# Altium PCB FPGA Board V1.PcbDoc (part 1 of 2) (continued)
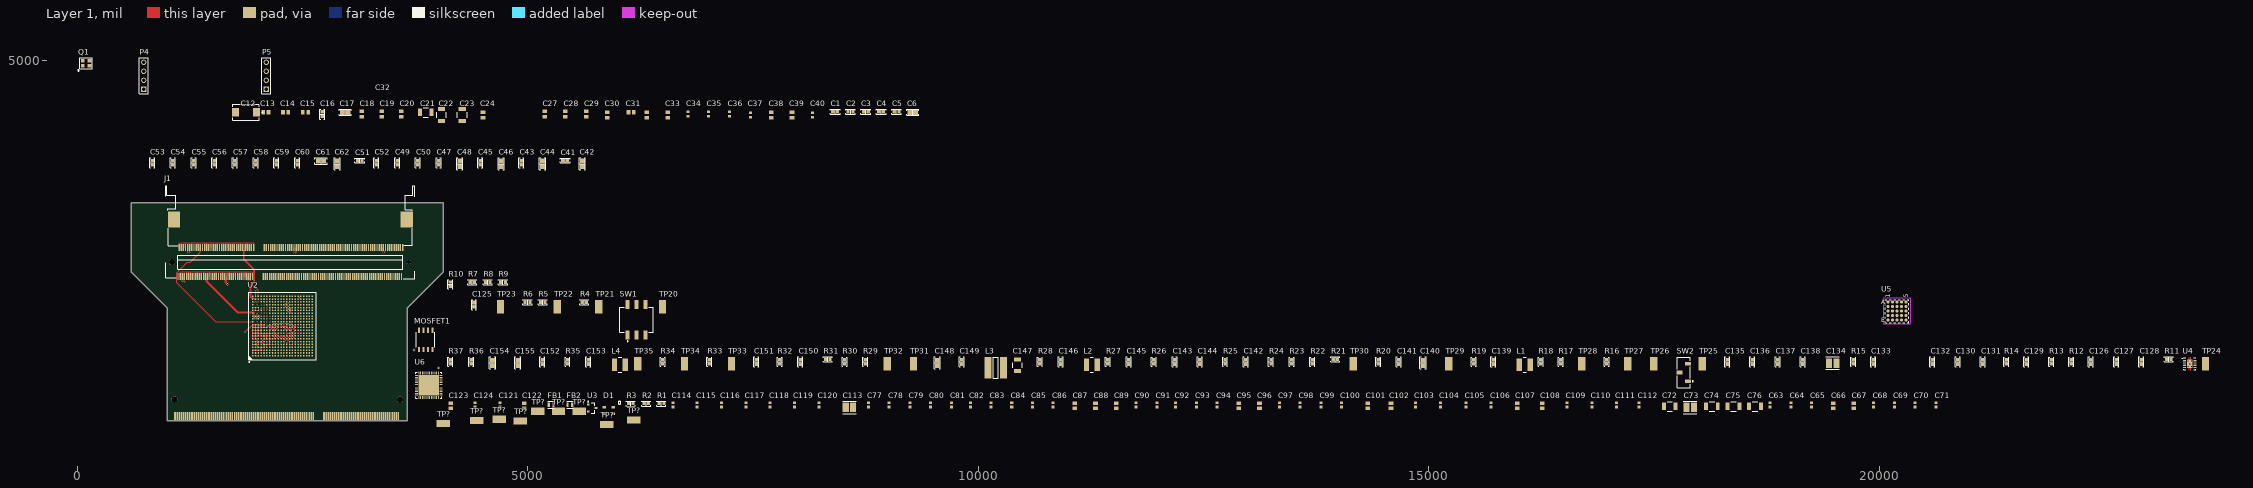
[diagram p0: Layer 1 view]
## Components (designator, comment, footprint, x,y, rotation, side; value= is the part's Value field where it differs from the comment)
C1 "0.47µF" "CAP 0603_1608" 8412.5,4430 r0 top
C2 "0.47µF" "CAP 0603_1608" 8582.5,4430 r0 top
C3 "0.47µF" "CAP 0603_1608" 8752.5,4430 r0 top
C4 "0.47µF" "CAP 0603_1608" 8922.5,4430 r0 top
C5 "4.7µF" "CAP 0603_1608" 9092.5,4430 r0 top
C6 "47µF" "CAP 0805_2012" 9272.5,4425 r0 top
C12 "T530X687M006ATE018" FP-T530X687M006ATE018-MFG 1872.5,4425 r0 top
C13 "GRM21BR71A475KA73L" CAPC2013X135X45LL10T25 2092.5,4425 r0 top
C14 "GRM21BR71A475KA73L" CAPC2013X135X45LL10T25 2312.5,4425 r0 top
C15 "GRM21BR71A475KA73L" CAPC2013X135X45LL10T25 2532.5,4425 r0 top
C16 "0.47µF" "CAP 0603_1608" 2717.5,4405 r90 top
C17 "47µF" "CAP 0805_2012" 2972.5,4425 r0 top
C18 "GRM21BR71A475KA73L" CAPC2013X135X45LL10T25 3157.5,4405 r90 top
C19 "GRM21BR71A475KA73L" CAPC2013X135X45LL10T25 3377.5,4405 r90 top
C20 "GRM21BR71A475KA73L" CAPC2013X135X45LL10T25 3597.5,4405 r90 top
C21 "GRM32ER60J107ME20L" FP-GRM32-0_3-MFG 3867.5,4425 r0 top value=100uF
C22 "GRM32ER60J107ME20L" FP-GRM32-0_3-MFG 4042.5,4395 r90 top value=100uF
C23 "GRM32ER60J107ME20L" FP-GRM32-0_3-MFG 4272.5,4395 r90 top value=100uF
C24 "GRM21BR71A475KA73L" CAPC2013X135X45LL10T25 4502.5,4395 r90 top
C27 "GRM21BR71A475KA73L" CAPC2013X135X45LL10T25 5187.5,4405 r90 top
C28 "GRM21BR71A475KA73L" CAPC2013X135X45LL10T25 5417.5,4405 r90 top
C29 "GRM21BR71A475KA73L" CAPC2013X135X45LL10T25 5647.5,4405 r90 top
C30 "GRM21BR71A475KA73L" CAPC2013X135X45LL10T25 5882.5,4395 r90 top
C31 "GRM21BR71A475KA73L" CAPC2013X135X45LL10T25 6147.5,4425 r0 top
C32 "GRM21BR71A475KA73L" CAPC2013X135X45LL10T25 6322.5,4395 r90 top
C33 "GRM21BR71A475KA73L" CAPC2013X135X45LL10T25 6552.5,4395 r90 top
C34 "GRM188R70J474KA01D" CAPC1608X90X35LL10T15 6777.5,4405 r90 top
C35 "GRM188R70J474KA01D" CAPC1608X90X35LL10T15 7007.5,4405 r90 top
C36 "GRM188R70J474KA01D" CAPC1608X90X35LL10T15 7237.5,4405 r90 top
C37 "GRM188R70J474KA01D" CAPC1608X90X35LL10T15 7472.5,4395 r90 top
C38 "GRM21BR71A475KA73L" CAPC2013X135X45LL10T25 7702.5,4395 r90 top
C39 "GRM21BR71A475KA73L" CAPC2013X135X45LL10T25 7932.5,4395 r90 top
C40 "GRM188R70J474KA01D" CAPC1608X90X35LL10T15 8162.5,4395 r90 top
C41 "0.47µF" "CAP 0603_1608" 5415,3890 r0 top
C42 "47µF" "CAP 0805_2012" 5605,3855 r90 top
C43 "0.47µF" "CAP 0603_1608" 4930,3865 r90 top
C44 "47µF" "CAP 0805_2012" 5165,3855 r90 top
C45 "0.47µF" "CAP 0603_1608" 4470,3865 r90 top
C46 "47µF" "CAP 0805_2012" 4705,3855 r90 top
C47 "0.47µF" "CAP 0603_1608" 4010,3865 r90 top
C48 "47µF" "CAP 0805_2012" 4245,3855 r90 top
C49 "0.47µF" "CAP 0603_1608" 3550,3865 r90 top
C50 "0.47µF" "CAP 0603_1608" 3780,3865 r90 top
C51 "0.47µF" "CAP 0603_1608" 3135,3890 r0 top
C52 "0.47µF" "CAP 0603_1608" 3320,3865 r90 top
C53 "0.47µF" "CAP 0603_1608" 830,3865 r90 top
C54 "0.47µF" "CAP 0603_1608" 1060,3865 r90 top
C55 "0.47µF" "CAP 0603_1608" 1290,3865 r90 top
C56 "0.47µF" "CAP 0603_1608" 1520,3865 r90 top
C57 "0.47µF" "CAP 0603_1608" 1750,3865 r90 top
C58 "0.47µF" "CAP 0603_1608" 1980,3865 r90 top
C59 "0.47µF" "CAP 0603_1608" 2210,3865 r90 top
C60 "0.47µF" "CAP 0603_1608" 2440,3865 r90 top
C61 "47µF" "CAP 0805_2012" 2705,3885 r0 top
C62 "47µF" "CAP 0805_2012" 2885,3855 r90 top
C63 "GRM188R70J474KA01D" CAPC1608X90X35LL10T15 18789,1178 r90 top
C64 "GRM188R70J474KA01D" CAPC1608X90X35LL10T15 19019,1178 r90 top
C65 "GRM188R70J474KA01D" CAPC1608X90X35LL10T15 19249,1178 r90 top
C66 "GRM21BR71A475KA73L" CAPC2013X135X45LL10T25 19489,1168 r90 top
C67 "GRM21BR71A475KA73L" CAPC2013X135X45LL10T25 19719,1168 r90 top
C68 "GRM188R70J474KA01D" CAPC1608X90X35LL10T15 19939,1178 r90 top
C69 "GRM188R70J474KA01D" CAPC1608X90X35LL10T15 20169,1178 r90 top
C70 "GRM188R70J474KA01D" CAPC1608X90X35LL10T15 20399,1178 r90 top
C71 "GRM188R70J474KA01D" CAPC1608X90X35LL10T15 20629,1178 r90 top
C72 "GRM32ER60J107ME20L" FP-GRM32-0_3-MFG 17675,1161 r0 top value=100uF
C73 "GRM32ER70J476ME20L" FP-GRM32E-0_3-0_2-IPC_C 17902,1150 r0 top
C74 "GRM32ER60J107ME20L" FP-GRM32-0_3-MFG 18144,1161 r0 top value=100uF
C75 "GRM32ER60J107ME20L" FP-GRM32-0_3-MFG 18383,1161 r0 top value=100uF
C76 "GRM32ER60J107ME20L" FP-GRM32-0_3-MFG 18622,1161 r0 top value=100uF
C77 "GRM188R70J474KA01D" CAPC1608X90X35LL10T15 8781,1178 r90 top
C78 "GRM188R70J474KA01D" CAPC1608X90X35LL10T15 9011,1178 r90 top
C79 "GRM188R70J474KA01D" CAPC1608X90X35LL10T15 9241,1178 r90 top
C80 "GRM188R70J474KA01D" CAPC1608X90X35LL10T15 9471,1178 r90 top
C81 "GRM188R70J474KA01D" CAPC1608X90X35LL10T15 9701,1178 r90 top
C82 "GRM188R70J474KA01D" CAPC1608X90X35LL10T15 9912,1178 r90 top
C83 "GRM188R70J474KA01D" CAPC1608X90X35LL10T15 10142,1178 r90 top
C84 "GRM188R70J474KA01D" CAPC1608X90X35LL10T15 10372,1178 r90 top
C85 "GRM188R70J474KA01D" CAPC1608X90X35LL10T15 10602,1178 r90 top
C86 "GRM188R70J474KA01D" CAPC1608X90X35LL10T15 10832,1178 r90 top
C87 "GRM21BR71A475KA73L" CAPC2013X135X45LL10T25 11072,1168 r90 top
C88 "GRM21BR71A475KA73L" CAPC2013X135X45LL10T25 11302,1168 r90 top
C89 "GRM21BR71A475KA73L" CAPC2013X135X45LL10T25 11532,1168 r90 top
C90 "GRM188R70J474KA01D" CAPC1608X90X35LL10T15 11752,1178 r90 top
C91 "GRM188R70J474KA01D" CAPC1608X90X35LL10T15 11982,1178 r90 top
C92 "GRM188R70J474KA01D" CAPC1608X90X35LL10T15 12192,1178 r90 top
C93 "GRM188R70J474KA01D" CAPC1608X90X35LL10T15 12422,1178 r90 top
C94 "GRM188R70J474KA01D" CAPC1608X90X35LL10T15 12652,1178 r90 top
C95 "GRM21BR71A475KA73L" CAPC2013X135X45LL10T25 12892,1168 r90 top
C96 "GRM21BR71A475KA73L" CAPC2013X135X45LL10T25 13122,1168 r90 top
C97 "GRM188R70J474KA01D" CAPC1608X90X35LL10T15 13342,1178 r90 top
C98 "GRM188R70J474KA01D" CAPC1608X90X35LL10T15 13572,1178 r90 top
C99 "GRM188R70J474KA01D" CAPC1608X90X35LL10T15 13802,1178 r90 top
C100 "GRM188R70J474KA01D" CAPC1608X90X35LL10T15 14032,1178 r90 top
C101 "GRM21BR71A475KA73L" CAPC2013X135X45LL10T25 14322,1168 r90 top
C102 "GRM21BR71A475KA73L" CAPC2013X135X45LL10T25 14582,1168 r90 top
C103 "GRM188R70J474KA01D" CAPC1608X90X35LL10T15 14852,1178 r90 top
C104 "GRM188R70J474KA01D" CAPC1608X90X35LL10T15 15132,1178 r90 top
C105 "GRM188R70J474KA01D" CAPC1608X90X35LL10T15 15413,1178 r90 top
C106 "GRM188R70J474KA01D" CAPC1608X90X35LL10T15 15693,1178 r90 top
C107 "GRM21BR71A475KA73L" CAPC2013X135X45LL10T25 15983,1168 r90 top
C108 "GRM21BR71A475KA73L" CAPC2013X135X45LL10T25 16262,1168 r90 top
C109 "GRM188R70J474KA01D" CAPC1608X90X35LL10T15 16533,1178 r90 top
C110 "GRM188R70J474KA01D" CAPC1608X90X35LL10T15 16813,1178 r90 top
C111 "GRM188R70J474KA01D" CAPC1608X90X35LL10T15 17083,1178 r90 top
C112 "GRM188R70J474KA01D" CAPC1608X90X35LL10T15 17333,1178 r90 top
C113 "GRM32ER70J476ME20L" FP-GRM32E-0_3-0_2-IPC_C 8571,1150 r0 top
C114 "GRM188R70J474KA01D" CAPC1608X90X35LL10T15 6610,1178 r90 top
C115 "GRM188R70J474KA01D" CAPC1608X90X35LL10T15 6880,1178 r90 top
C116 "GRM188R70J474KA01D" CAPC1608X90X35LL10T15 7151,1178 r90 top
C117 "GRM188R70J474KA01D" CAPC1608X90X35LL10T15 7421,1178 r90 top
C118 "GRM188R70J474KA01D" CAPC1608X90X35LL10T15 7691,1178 r90 top
C119 "GRM188R70J474KA01D" CAPC1608X90X35LL10T15 7961,1178 r90 top
C120 "GRM188R70J474KA01D" CAPC1608X90X35LL10T15 8231,1178 r90 top
C121 "GRM188R70J474KA01D" CAPC1608X90X35LL10T15 4693,1178 r90 top
C122 "GRM21BR71A475KA73L" CAPC2013X135X45LL10T25 4963,1168 r90 top
C123 "GRM21BR71A475KA73L" CAPC2013X135X45LL10T25 4143,1168 r90 top
C124 "GRM188R70J474KA01D" CAPC1608X90X35LL10T15 4413,1178 r90 top
C125 "1 µF" "CAP 0603_1608" 4403,2290 r90 top
C126 "10 µF" "CAP 0603_1608" 22351,1654 r90 top
C127 "10 µF" "CAP 0603_1608" 22631,1654 r90 top
C128 "10 µF" "CAP 0603_1608" 22911,1654 r90 top
C129 "0.1 µF" "CAP 0603_1608" 21631,1654 r90 top
C130 "10 µF" "CAP 0603_1608" 20871,1654 r90 top
C131 "10 µF" "CAP 0603_1608" 21151,1654 r90 top
C132 "10 µF" "CAP 0603_1608" 20591,1654 r90 top
C133 "0.1 µF" "CAP 0603_1608" 19932,1654 r90 top
C134 "GRM32ER70J476ME20L" FP-GRM32E-0_3-0_2-IPC_C 19484,1640 r0 top
C135 "10 µF" "CAP 0603_1608" 18312,1654 r90 top
C136 "10 µF" "CAP 0603_1608" 18592,1654 r90 top
C137 "10 µF" "CAP 0603_1608" 18872,1654 r90 top
C138 "10 µF" "CAP 0603_1608" 19152,1654 r90 top
C139 "0.1 µF" "CAP 0603_1608" 15719,1654 r90 top
C140 "22 µF" "CAP 0805_2012" 14937,1643 r90 top
C141 "1800 pF" "CAP 0603_1608" 14669,1654 r90 top
C142 "1 µF" "CAP 0603_1608" 12969,1654 r90 top
C143 "1 µF" "CAP 0603_1608" 12179,1654 r90 top
C144 "1 µF" "CAP 0603_1608" 12459,1654 r90 top
C145 "1 µF" "CAP 0603_1608" 11669,1654 r90 top
C146 "2700 pF" "CAP 0603_1608" 10914,1654 r90 top
C147 "GRM32EE70G107ME19L" FP-GRM32E-0_3-0_2-MFG 10435,1618 r90 top
C148 "22 µF" "CAP 0805_2012" 9545,1643 r90 top
C149 "0.1 µF" "CAP 0603_1608" 9817,1654 r90 top
C150 "1800 pF" "CAP 0603_1608" 8026,1654 r90 top
C151 "0.1 µF" "CAP 0603_1608" 7536,1654 r90 top
C152 "5600 pF" "CAP 0603_1608" 5161,1654 r90 top
C153 "0.1 µF" "CAP 0603_1608" 5671,1654 r90 top
C154 "22 µF" "CAP 0805_2012" 4609,1643 r90 top
C155 "22 µF" "CAP 0805_2012" 4889,1643 r90 top
D1 "E6C1206RGBC3UDA" E6C1206RGBC3UDA 5900,1115 r0 top
FB1 "BLM18SG121TN1D" FP-BLM18-0_15-t0_5-d1_2-MFG 5258,1179 r0 top
FB2 "BLM18SG121TN1D" FP-BLM18-0_15-t0_5-d1_2-MFG 5468,1179 r0 top
J1 "2013289-1" TE_2013289-1 2362.13,2761.58 r0 top locked
J2 "2013289-1" "DDR3 SODIMM Gold Finger" 3660.91,999.88 r180 bottom
L1 "SRN4018-4R7M" FP-SRN4018-MFG 16066,1622 r0 top value=4.7uH
L2 "SRN4018-4R7M" FP-SRN4018-MFG 11261,1622 r0 top value=4.7uH
L3 "SRN6045-2R2Y" BOUR-SRN6045_V 10195,1589 r0 top
L4 "3.3 µH" "BOURNS SRN4018" 6023,1623 r0 top
MOSFET1 "FDS9926A" SOIC8_751EB_ONS 3865,1898 r90 top
P4 "Header 4" HDR1X4 737.5,4680 r90 top
P5 "Header 4" HDR1X4 2097.5,4680 r90 top
Q1 "SiT8008 Oscillator" "SiT8008 2.5x2" 97.5,4970 r0 top
R1 "300 Ohms" "RES 0603_1608" 6484,1192 r0 top
R2 "4.7 kOhms" "RES 0603_1608" 6314,1192 r0 top
R3 "4.7 kOhms" "RES 0603_1608" 6144,1192 r0 top
R4 "10 kOhms" "RES 0603_1608" 5628,2318 r0 top
R5 "10 kOhms" "RES 0603_1608" 5167,2318 r0 top
R6 "10 kOhms" "RES 0603_1608" 4997,2318 r0 top
R7 "4.7 kOhms" "RES 0603_1608" 4385,2540 r0 top
R8 "4.7 kOhms" "RES 0603_1608" 4555,2540 r0 top
R9 "4.7 kOhms" "RES 0603_1608" 4725,2540 r0 top
R10 "4.7 kOhms" "RES 0603_1608" 4141,2516 r90 top
R11 "20 kOhms" "RES 0603_1608" 23215,1682 r0 top
R12 "20 kOhms" "RES 0603_1608" 22131,1658 r90 top
R13 "1 kOhms" "RES 0603_1608" 21911,1658 r90 top
R14 "1 kOhms" "RES 0603_1608" 21411,1658 r90 top
R15 "40.2 kOhms" "RES 0603_1608" 19712,1658 r90 top
R16 "10.2 kOhms" "RES 0603_1608" 16974,1658 r90 top
R17 "12.7 kOhms" "RES 0603_1608" 16464,1658 r90 top
R18 "1 kOhms" "RES 0603_1608" 16244,1658 r90 top
R19 "10 kOhms" "RES 0603_1608" 15499,1658 r90 top
R20 "6.2 kOhms" "RES 0603_1608" 14439,1658 r90 top
R21 "1.91 kOhms" "RES 0603_1608" 13963,1682 r0 top
R22 "9.31 kOhms" "RES 0603_1608" 13709,1658 r90 top
R23 "10 kOhms" "RES 0603_1608" 13479,1658 r90 top
R24 "4.99 kOhms" "RES 0603_1608" 13249,1658 r90 top
R25 "10.2 kOhms" "RES 0603_1608" 12739,1658 r90 top
R26 "31.6 kOhms" "RES 0603_1608" 11949,1658 r90 top
R27 "31.6 kOhms" "RES 0603_1608" 11439,1658 r90 top
R28 "56.2 kOhms" "RES 0603_1608" 10684,1658 r90 top
R29 "9.53 kOhms" "RES 0603_1608" 8746,1658 r90 top
R30 "10 kOhms" "RES 0603_1608" 8516,1658 r90 top
R31 "15 kOhms" "RES 0603_1608" 8330,1682 r0 top
R32 "7.87 kOhms" "RES 0603_1608" 7796,1658 r90 top
R33 "11.5 kOhms" "RES 0603_1608" 7016,1658 r90 top
R34 "47 kOhms" "RES 0603_1608" 6496,1658 r90 top
R35 "7.15 kOhms" "RES 0603_1608" 5441,1658 r90 top
R36 "10.2 kOhms" "RES 0603_1608" 4371,1658 r90 top
R37 "41.2 kOhms" "RES 0603_1608" 4141,1658 r90 top
SW1 "219-3MSTR" FP-219-3MSTR-MFG 6206,2123 r0 top
SW2 "JS102011JCQN" FP-JS102011JCQN-MFG 17831,1537 r90 top
TP20 "5019" KSTN-5019_V 6494,2269 r90 top
TP21 "5019" KSTN-5019_V 5788,2269 r90 top
TP22 "5019" KSTN-5019_V 5328,2269 r90 top
TP23 "5019" KSTN-5019_V 4698,2269 r90 top
TP24 "5019" KSTN-5019_V 23622,1633 r90 top
TP25 "5019" KSTN-5019_V 18036,1633 r90 top
TP26 "5019" KSTN-5019_V 17499,1633 r90 top
TP27 "5019" KSTN-5019_V 17209,1633 r90 top
TP28 "5019" KSTN-5019_V 16698,1633 r90 top
TP29 "5019" KSTN-5019_V 15223,1633 r90 top
TP30 "5019" KSTN-5019_V 14163,1633 r90 top
TP31 "5019" KSTN-5019_V 9281,1633 r90 top
TP32 "5019" KSTN-5019_V 8990,1633 r90 top
TP33 "5019" KSTN-5019_V 7260,1633 r90 top
TP34 "5019" KSTN-5019_V 6740,1633 r90 top
TP35 "5019" KSTN-5019_V 6220,1633 r90 top
TP? "5019" KSTN-5019_V 4683,1017 r0 top
TP? "5019" KSTN-5019_V 4917,998 r0 top
TP? "5019" KSTN-5019_V 5877,959 r0 top
TP? "5019" KSTN-5019_V 5571,1106 r0 top
TP? "5019" KSTN-5019_V 4432,1003 r0 top
TP? "5019" KSTN-5019_V 6175,1011 r0 top
TP? "5019" KSTN-5019_V 4062,972 r0 top
TP? "5019" KSTN-5019_V 5341,1106 r0 top
TP? "5019" KSTN-5019_V 5111,1106 r0 top
U1 "S34ML02G200TFA000" TSOP-48_TSOP1_SPA 2943,2056 r90 bottom
U2 "XC7A200T-1SBG484C" SBG484 2277.27,2052.79 r90 top locked
U3 "REF3012AIDBZT" DBZ0003A_L 5714,1143 r0 top
U4 "TPS51200DRCT" DRC0010J_V 23447,1633 r0 top
U5 "LTM4624EY#PBF" BGA-25_6P25X6P25_LIT 20198,2219 r0 top
U6 "ADP5052ACPZ-R7" CP_48_13_ADI 3899.79,1394.08 r0 top

## Footprints (in the part's own frame and the unit in brackets; to place one, negate y for a bottom-side part, rotate by r counter-clockwise, add the part's x,y. Pads: shape width x height; smd on the part's side, far side on the other; paste and mask are expansions set on the pad)
BGA-25_6P25X6P25_LIT [mil]
  round 35 smd paste+0 mask+0: A1(-100,100) A2(-50,100) A3(0,100) A4(50,100) A5(100,100) B1(-100,50) B2(-50,50) B3(0,50) B4(50,50) B5(100,50) C1(-100,0) C2(-50,0) C3(0,0) C4(50,0) C5(100,0) D1(-100,-50) D2(-50,-50) D3(0,-50) D4(50,-50) D5(100,-50) E1(-100,-100) E2(-50,-100) E3(0,-100) E4(50,-100) E5(100,-100)
  Keep-Out Layer region: -145,-145 -145,145 145,145 145,-145
  silkscreen extent -128,-128 128,128, body extent -123,-123 123,123, height 205
BOUR-SRN6045_V [mm] "SMD, 2-Leads, Body 6x6mm"
  rect 2x6 smd: 1(-2.15,0) 2(2.15,0)
  silkscreen extent -0.75,-3 0.75,3, body extent -3.15,-3 3.15,3, height 4.5
"BOURNS SRN4018" [mm] "Power Inductor, 2-Leads, Bourns, SRN4018-220M"
  rect 1.5x3.6 smd: 1(-1.525,0) 2(1.525,0)
  silkscreen extent -0.53,-2.05 0.53,2.05, body extent -2.05,-2.05 2.05,2.05, height 1.8
"CAP 0603_1608" [mm] "Chip Capacitor, 2-Leads, Body 1.60x0.80mm, IPC Medium Density"
  rect 0.9x1 smd: 1(-0.675,0) 2(0.675,0)
  silkscreen extent -1.4,-0.7 1.4,0.7, body extent -0.8,-0.41 0.8,0.41, height 0.82
"CAP 0805_2012" [mm] "Chip Capacitor, 2-Leads, Body 2.00x1.20mm, IPC Medium Density"
  rect 1.3x1.4 smd: 1(-0.8,0) 2(0.8,0)
  silkscreen extent -1.7,-0.9 1.7,0.9, body extent -1,-0.64 1,0.64, height 1.26
CAPC1608X90X35LL10T15 [mm] "Chip Capacitor, 2-Leads, Body 1.60x0.80mm, IPC High Density"
  rect 0.75x0.85 smd: 1(-0.625,0) 2(0.625,0)
  body extent -0.85,-0.45 0.85,0.45, height 0.9
CAPC2013X135X45LL10T25 [mm] "Chip Capacitor, 2-Leads, Body 2.00x1.25mm, IPC High Density"
  rect 1x1.3 smd: 1(-0.75,0) 2(0.75,0)
  body extent -1.05,-0.67 1.05,0.68, height 1.35
CP_48_13_ADI [mm]
  rect 0.275x0.805 smd paste+0 mask+0: 1(2.75,3.452) 2(2.25,3.452) 3(1.75,3.452) 4(1.25,3.452) 5(0.75,3.452) 6(0.25,3.452) 7(-0.25,3.452) 8(-0.75,3.452) 9(-1.25,3.452) 10(-1.75,3.452) 11(-2.25,3.452) 12(-2.75,3.452) 25(-2.75,-3.452) 26(-2.25,-3.452) 27(-1.75,-3.452) 28(-1.25,-3.452) 29(-0.75,-3.452) 30(-0.25,-3.452) 31(0.25,-3.452) 32(0.75,-3.452) 33(1.25,-3.452) 34(1.75,-3.452) 35(2.25,-3.452) 36(2.75,-3.452)
  rect 0.805x0.275 smd paste+0 mask+0: 13(-3.452,2.75) 14(-3.452,2.25) 15(-3.452,1.75) 16(-3.452,1.25) 17(-3.452,0.75) 18(-3.452,0.25) 19(-3.452,-0.25) 20(-3.452,-0.75) 21(-3.452,-1.25) 22(-3.452,-1.75) 23(-3.452,-2.25) 24(-3.452,-2.75) 37(3.452,-2.75) 38(3.452,-2.25) 39(3.452,-1.75) 40(3.452,-1.25) 41(3.452,-0.75) 42(3.452,-0.25) 43(3.452,0.25) 44(3.452,0.75) 45(3.452,1.25) 46(3.452,1.75) 47(3.452,2.25) 48(3.452,2.75)
  rect 5.7x5.7 smd paste+0 mask+0: HTAB(0,0)
  silkscreen extent -3.68,-3.68 3.68,3.68, body extent -3.55,-3.55 3.55,3.55, height 0.8
DBZ0003A_L [mm] "SOT23, 3-Leads, Body 3.04x1.4mm, Pitch 0.95mm, IPC High Density"
  rrect18% 0.8x0.55 smd: 1(-1.1,0.95) 2(-1.1,-0.95) 3(1.1,0)
  silkscreen extent -1.22,-1.5 0.7,1.9, body extent -1.26,-1.46 1.26,1.46, height 0.96
"DDR3 SODIMM Gold Finger" [mm]
  rect 0.45x2.3 smd mask+0: 1(2.15,1.4) 3(2.75,1.4) 5(3.35,1.4) 7(3.95,1.4) 9(4.55,1.4) 11(5.15,1.4) 13(5.75,1.4) 15(6.35,1.4) 17(6.95,1.4) 19(7.55,1.4) 21(8.15,1.4) 23(8.75,1.4) 25(9.35,1.4) 27(9.95,1.4) 29(10.55,1.4) 31(11.15,1.4) 33(11.75,1.4) 35(12.35,1.4) 37(12.95,1.4) 39(13.55,1.4) 41(14.15,1.4) 43(14.75,1.4) 45(15.35,1.4) 47(15.95,1.4) 49(16.55,1.4) 51(17.15,1.4) 53(17.75,1.4) 55(18.35,1.4) 57(18.95,1.4) 59(19.55,1.4) 61(20.15,1.4) 63(20.75,1.4) 65(21.35,1.4) 67(21.95,1.4) 69(22.55,1.4) 71(23.15,1.4) 73(26.15,1.4) 75(26.75,1.4) 77(27.35,1.4) 79(27.95,1.4) 81(28.55,1.4) 83(29.15,1.4) 85(29.75,1.4) 87(30.35,1.4) 89(30.95,1.4) 91(31.55,1.4) 93(32.15,1.4) 95(32.75,1.4) 97(33.35,1.4) 99(33.95,1.4) 101(34.55,1.4) 103(35.15,1.4) 105(35.75,1.4) 107(36.35,1.4) 109(36.95,1.4) 111(37.55,1.4) 113(38.15,1.4) 115(38.75,1.4) 117(39.35,1.4) 119(39.95,1.4) 121(40.55,1.4) 123(41.15,1.4) 125(41.75,1.4) 127(42.35,1.4) 129(42.95,1.4) 131(43.55,1.4) 133(44.15,1.4) 135(44.75,1.4) 137(45.35,1.4) 139(45.95,1.4) 141(46.55,1.4) 143(47.15,1.4) 145(47.75,1.4) 147(48.35,1.4) 149(48.95,1.4) 151(49.55,1.4) 153(50.15,1.4) 155(50.75,1.4) 157(51.35,1.4) 159(51.95,1.4) 161(52.55,1.4) 163(53.15,1.4) 165(53.75,1.4) 167(54.35,1.4) 169(54.95,1.4) 171(55.55,1.4) 173(56.15,1.4) 175(56.75,1.4) 177(57.35,1.4) 179(57.95,1.4) 181(58.55,1.4) 183(59.15,1.4) 185(59.75,1.4) 187(60.35,1.4) 189(60.95,1.4) 191(61.55,1.4) 193(62.15,1.4) 195(62.75,1.4) 197(63.35,1.4) 199(63.95,1.4) 201(64.55,1.4) 203(65.15,1.4)
  rect 0.45x2.3 smd far side mask+0: 2(2.45,1.4) 4(3.05,1.4) 6(3.65,1.4) 8(4.25,1.4) 10(4.85,1.4) 12(5.45,1.4) 14(6.05,1.4) 16(6.65,1.4) 18(7.25,1.4) 20(7.85,1.4) 22(8.45,1.4) 24(9.05,1.4) 26(9.65,1.4) 28(10.25,1.4) 30(10.85,1.4) 32(11.45,1.4) 34(12.05,1.4) 36(12.65,1.4) 38(13.25,1.4) 40(13.85,1.4) 42(14.45,1.4) 44(15.05,1.4) 46(15.65,1.4) 48(16.25,1.4) 50(16.85,1.4) 52(17.45,1.4) 54(18.05,1.4) 56(18.65,1.4) 58(19.25,1.4) 60(19.85,1.4) 62(20.45,1.4) 64(21.05,1.4) 66(21.65,1.4) 68(22.25,1.4) 70(22.85,1.4) 72(23.45,1.4) 74(26.45,1.4) 76(27.05,1.4) 78(27.65,1.4) 80(28.25,1.4) 82(28.85,1.4) 84(29.45,1.4) 86(30.05,1.4) 88(30.65,1.4) 90(31.25,1.4) 92(31.85,1.4) 94(32.45,1.4) 96(33.05,1.4) 98(33.65,1.4) 100(34.25,1.4) 102(34.85,1.4) 104(35.45,1.4) 106(36.05,1.4) 108(36.65,1.4) 110(37.25,1.4) 112(37.85,1.4) 114(38.45,1.4) 116(39.05,1.4) 118(39.65,1.4) 120(40.25,1.4) 122(40.85,1.4) 124(41.45,1.4) 126(42.05,1.4) 128(42.65,1.4) 130(43.25,1.4) 132(43.85,1.4) 134(44.45,1.4) 136(45.05,1.4) 138(45.65,1.4) 140(46.25,1.4) 142(46.85,1.4) 144(47.45,1.4) 146(48.05,1.4) 148(48.65,1.4) 150(49.25,1.4) 152(49.85,1.4) 154(50.45,1.4) 156(51.05,1.4) 158(51.65,1.4) 160(52.25,1.4) 162(52.85,1.4) 164(53.45,1.4) 166(54.05,1.4) 168(54.65,1.4) 170(55.25,1.4) 172(55.85,1.4) 174(56.45,1.4) 176(57.05,1.4) 178(57.65,1.4) 180(58.25,1.4) 182(58.85,1.4) 184(59.45,1.4) 186(60.05,1.4) 188(60.65,1.4) 190(61.25,1.4) 192(61.85,1.4) 194(62.45,1.4) 196(63.05,1.4) 198(63.65,1.4) 200(64.25,1.4) 202(64.85,1.4) 204(65.45,1.4)
  round 1.8 hole 1.8: 9(2,6) 9(65.6,6)
DRC0010J_V [mm] "SON, 10-Leads, Body 3x3mm, Pitch 0.5mm, Thermal Pad 2.4x1.65mm, TI Recommended"
  rrect36% 0.85x0.28 smd paste-0.025 mask+0.07: 1(-1.475,1) 2(-1.475,0.5) 3(-1.475,0) 4(-1.475,-0.5) 5(-1.475,-1) 6(1.475,-1) 7(1.475,-0.5) 8(1.475,0) 9(1.475,0.5) 10(1.475,1)
  rrect6% 1.65x2.4 smd paste-0.825 mask+0.07: 11(0,0)
  Layer 1 region: -0.39,1.2 -0.11,1.2 -0.11,1.9 -0.39,1.9
  Layer 1 region: 0.39,1.9 0.11,1.9 0.11,1.2 0.39,1.2
  Layer 1 region: 0.39,-1.2 0.11,-1.2 0.11,-1.9 0.39,-1.9
  Layer 1 region: -0.39,-1.9 -0.11,-1.9 -0.11,-1.2 -0.39,-1.2
  silkscreen extent -2.15,-1.7 1.7,1.7, body extent -1.55,-1.55 1.55,1.55, height 1
E6C1206RGBC3UDA [mm] "RGB LED SMD"
  rect 0.95x0.75 smd: 1(1.275,0.9) 2(-1.275,0.9) 3(1.275,-0.9) 4(-1.275,-0.9)
  silkscreen extent 2.59,1.79 3.41,2.61
FP-219-3MSTR-MFG [mm]
  rect 1.13x2.44 smd paste+0 mask+0: 1(-2.54,-4.3) 2(0,-4.3) 3(2.54,-4.3) 4(2.54,4.3) 5(0,4.3) 6(-2.54,4.3)
  silkscreen extent -4.69,-6.23 4.69,3.47, body extent -4.79,-5.62 4.79,5.62, height 0.25
FP-BLM18-0_15-t0_5-d1_2-MFG [mm]
  rect 0.65x1.2 smd paste-1000 mask-1000: 1(-0.675,0) 2(0.675,0)
  silkscreen extent -0.87,-1 0.87,1, body extent -1.1,-0.7 1.1,0.7, height 0.25
FP-GRM32-0_3-MFG [mm]
  rect 1.1x2.05 smd paste+0 mask+0: 1(-1.65,0) 2(1.65,0)
  silkscreen extent -0.72,-1.35 0.72,1.35, body extent -2.3,-1.45 2.3,1.45, height 0.25
FP-GRM32E-0_3-0_2-IPC_C [mil]
  rect 67.04x102.61 smd paste+0 mask+0: 1(-41.36,0) 2(41.36,0)
  silkscreen extent -75,-69 75,69, body extent -79,-57 79,57, height 10
FP-GRM32E-0_3-0_2-MFG [mm]
  rect 1.1x2.05 smd paste+0 mask+0: 1(-1.65,0) 2(1.65,0)
  silkscreen extent -0.72,-1.35 0.72,1.35, body extent -2.3,-1.45 2.3,1.45, height 0.25
FP-JS102011JCQN-MFG [mm]
  rect 1x1.6 smd paste+0 mask+0: 1(-2.5,-1.2) 2(0,1.2) 3(2.5,-1.2)
  silkscreen extent -4.25,-2.68 4.25,1.8, body extent -4.35,-2.1 4.35,2.1, height 0.25
FP-SRN4018-MFG [mm]
  rect 1.5x3.6 smd paste+0 mask+0: 1(-1.525,0) 2(1.525,0)
  silkscreen extent -0.4,-2.1 0.4,2.1
FP-T530X687M006ATE018-MFG [mm]
  rect 1.99x2.33 smd paste+0 mask+0: 1(-3.01,0) 2(3.01,0)
  silkscreen extent -3.8,-2.3 4.9,2.3, body extent -4.13,-2.42 4.13,2.42, height 0.25
HDR1X4 [mm] "Connector; Header; 4 Position"
  rect 1.5x1.5 hole 0.9: 1(0,0)
  round 1.5 hole 0.9: 2(2.54,0) 3(5.08,0) 4(7.62,0)
  silkscreen extent -1.27,-1.27 8.89,1.27
KSTN-5019_V [mm] "Test Point, 1-Leads, Body 3.81x2.03mm"
  rect 3.8x2.03 smd: 1(0,0)
  body extent -1.9,-1.01 1.9,1.02, height 2.29
"RES 0603_1608" [mm] "Chip Resistor, 2-Leads, Body 1.60x0.80mm, IPC Medium Density"
  rect 0.85x0.95 smd: 1(-0.65,0) 2(0.65,0)
  silkscreen extent -1.27,-0.7 1.27,0.7, body extent -0.8,-0.4 0.8,0.4, height 0.45
SBG484 [mm] "BGA, 484-Balls, Body 19x19mm, Pitch 0.8mm"
  round 0.45 smd: A1(-8.4,8.4) A2(-7.6,8.4) A3(-6.8,8.4) A4(-6,8.4) A5(-5.2,8.4) A6(-4.4,8.4) A7(-3.6,8.4) A8(-2.8,8.4) A9(-2,8.4) A10(-1.2,8.4) A11(-0.4,8.4) A12(0.4,8.4) A13(1.2,8.4) A14(2,8.4) A15(2.8,8.4) A16(3.6,8.4) A17(4.4,8.4) A18(5.2,8.4) A19(6,8.4) A20(6.8,8.4) A21(7.6,8.4) A22(8.4,8.4) AA1(-8.4,-7.6) AA2(-7.6,-7.6) AA3(-6.8,-7.6) AA4(-6,-7.6) AA5(-5.2,-7.6) AA6(-4.4,-7.6) AA7(-3.6,-7.6) AA8(-2.8,-7.6) AA9(-2,-7.6) AA10(-1.2,-7.6) AA11(-0.4,-7.6) AA12(0.4,-7.6) AA13(1.2,-7.6) AA14(2,-7.6) AA15(2.8,-7.6) AA16(3.6,-7.6) AA17(4.4,-7.6) AA18(5.2,-7.6) AA19(6,-7.6) AA20(6.8,-7.6) AA21(7.6,-7.6) AA22(8.4,-7.6) AB1(-8.4,-8.4) AB2(-7.6,-8.4) AB3(-6.8,-8.4) AB4(-6,-8.4) AB5(-5.2,-8.4) AB6(-4.4,-8.4) AB7(-3.6,-8.4) AB8(-2.8,-8.4) AB9(-2,-8.4) AB10(-1.2,-8.4) AB11(-0.4,-8.4) AB12(0.4,-8.4) AB13(1.2,-8.4) AB14(2,-8.4) AB15(2.8,-8.4) AB16(3.6,-8.4) AB17(4.4,-8.4) AB18(5.2,-8.4) AB19(6,-8.4) AB20(6.8,-8.4) AB21(7.6,-8.4) AB22(8.4,-8.4) B1(-8.4,7.6) B2(-7.6,7.6) B3(-6.8,7.6) B4(-6,7.6) B5(-5.2,7.6) B6(-4.4,7.6) B7(-3.6,7.6) B8(-2.8,7.6) B9(-2,7.6) B10(-1.2,7.6) B11(-0.4,7.6) B12(0.4,7.6) B13(1.2,7.6) B14(2,7.6) B15(2.8,7.6) B16(3.6,7.6) B17(4.4,7.6) B18(5.2,7.6) B19(6,7.6) B20(6.8,7.6) B21(7.6,7.6) B22(8.4,7.6) C1(-8.4,6.8) C2(-7.6,6.8) C3(-6.8,6.8) C4(-6,6.8) C5(-5.2,6.8) C6(-4.4,6.8) C7(-3.6,6.8) C8(-2.8,6.8) C9(-2,6.8) C10(-1.2,6.8) C11(-0.4,6.8) C12(0.4,6.8) C13(1.2,6.8) C14(2,6.8) C15(2.8,6.8) C16(3.6,6.8) C17(4.4,6.8) C18(5.2,6.8) C19(6,6.8) C20(6.8,6.8) C21(7.6,6.8) C22(8.4,6.8) D1(-8.4,6) D2(-7.6,6) D3(-6.8,6) D4(-6,6) D5(-5.2,6) D6(-4.4,6) D7(-3.6,6) D8(-2.8,6) D9(-2,6) D10(-1.2,6) D11(-0.4,6) D12(0.4,6) D13(1.2,6) D14(2,6) D15(2.8,6) D16(3.6,6) D17(4.4,6) D18(5.2,6) D19(6,6) D20(6.8,6) D21(7.6,6) D22(8.4,6) E1(-8.4,5.2) E2(-7.6,5.2) E3(-6.8,5.2) E4(-6,5.2) E5(-5.2,5.2) E6(-4.4,5.2) E7(-3.6,5.2) E8(-2.8,5.2) E9(-2,5.2) E10(-1.2,5.2) E11(-0.4,5.2) E12(0.4,5.2) E13(1.2,5.2) E14(2,5.2) E15(2.8,5.2) E16(3.6,5.2) E17(4.4,5.2) E18(5.2,5.2) E19(6,5.2) E20(6.8,5.2) E21(7.6,5.2) E22(8.4,5.2) F1(-8.4,4.4) F2(-7.6,4.4) F3(-6.8,4.4) F4(-6,4.4) F5(-5.2,4.4) F6(-4.4,4.4) F7(-3.6,4.4) F8(-2.8,4.4) F9(-2,4.4) F10(-1.2,4.4) F11(-0.4,4.4) F12(0.4,4.4) F13(1.2,4.4) F14(2,4.4) F15(2.8,4.4) F16(3.6,4.4) F17(4.4,4.4) F18(5.2,4.4) F19(6,4.4) F20(6.8,4.4) F21(7.6,4.4) F22(8.4,4.4) G1(-8.4,3.6) G2(-7.6,3.6) G3(-6.8,3.6) G4(-6,3.6) G5(-5.2,3.6) G6(-4.4,3.6) G7(-3.6,3.6) G8(-2.8,3.6) G9(-2,3.6) G10(-1.2,3.6) G11(-0.4,3.6) G12(0.4,3.6) G13(1.2,3.6) G14(2,3.6) G15(2.8,3.6) G16(3.6,3.6) G17(4.4,3.6) G18(5.2,3.6) G19(6,3.6) G20(6.8,3.6) G21(7.6,3.6) G22(8.4,3.6) H1(-8.4,2.8) H2(-7.6,2.8) H3(-6.8,2.8) H4(-6,2.8) H5(-5.2,2.8) H6(-4.4,2.8) H7(-3.6,2.8) H8(-2.8,2.8) H9(-2,2.8) H10(-1.2,2.8) H11(-0.4,2.8) H12(0.4,2.8) H13(1.2,2.8) H14(2,2.8) H15(2.8,2.8) H16(3.6,2.8) H17(4.4,2.8) H18(5.2,2.8) H19(6,2.8) H20(6.8,2.8) H21(7.6,2.8) H22(8.4,2.8) J1(-8.4,2) J2(-7.6,2) J3(-6.8,2) J4(-6,2) J5(-5.2,2) J6(-4.4,2) J7(-3.6,2) J8(-2.8,2) J9(-2,2) J10(-1.2,2) J11(-0.4,2) J12(0.4,2) J13(1.2,2) J14(2,2) J15(2.8,2) J16(3.6,2) J17(4.4,2) J18(5.2,2) J19(6,2) J20(6.8,2) J21(7.6,2) J22(8.4,2) K1(-8.4,1.2) K2(-7.6,1.2) K3(-6.8,1.2) K4(-6,1.2) K5(-5.2,1.2) K6(-4.4,1.2) K7(-3.6,1.2) K8(-2.8,1.2) K9(-2,1.2) K10(-1.2,1.2) K11(-0.4,1.2) K12(0.4,1.2) K13(1.2,1.2) K14(2,1.2) K15(2.8,1.2) K16(3.6,1.2) K17(4.4,1.2) K18(5.2,1.2) K19(6,1.2) K20(6.8,1.2) K21(7.6,1.2) K22(8.4,1.2) L1(-8.4,0.4) L2(-7.6,0.4) L3(-6.8,0.4) L4(-6,0.4) L5(-5.2,0.4) L6(-4.4,0.4) L7(-3.6,0.4) L8(-2.8,0.4) L9(-2,0.4) L10(-1.2,0.4) L11(-0.4,0.4) L12(0.4,0.4) L13(1.2,0.4) L14(2,0.4) L15(2.8,0.4) L16(3.6,0.4) L17(4.4,0.4) L18(5.2,0.4) L19(6,0.4) L20(6.8,0.4) L21(7.6,0.4) L22(8.4,0.4) M1(-8.4,-0.4) M2(-7.6,-0.4) M3(-6.8,-0.4) M4(-6,-0.4) M5(-5.2,-0.4) M6(-4.4,-0.4) M7(-3.6,-0.4) M8(-2.8,-0.4) M9(-2,-0.4) M10(-1.2,-0.4) M11(-0.4,-0.4) M12(0.4,-0.4) M13(1.2,-0.4) M14(2,-0.4) M15(2.8,-0.4) M16(3.6,-0.4) M17(4.4,-0.4) M18(5.2,-0.4) M19(6,-0.4) M20(6.8,-0.4) M21(7.6,-0.4) M22(8.4,-0.4) N1(-8.4,-1.2) N2(-7.6,-1.2) N3(-6.8,-1.2) N4(-6,-1.2) N5(-5.2,-1.2) N6(-4.4,-1.2) N7(-3.6,-1.2) N8(-2.8,-1.2) N9(-2,-1.2) N10(-1.2,-1.2) N11(-0.4,-1.2) N12(0.4,-1.2) N13(1.2,-1.2) N14(2,-1.2) N15(2.8,-1.2) N16(3.6,-1.2) N17(4.4,-1.2) N18(5.2,-1.2) N19(6,-1.2) N20(6.8,-1.2) N21(7.6,-1.2) N22(8.4,-1.2) P1(-8.4,-2) P2(-7.6,-2) P3(-6.8,-2) P4(-6,-2) P5(-5.2,-2) P6(-4.4,-2) P7(-3.6,-2) P8(-2.8,-2) P9(-2,-2) P10(-1.2,-2) P11(-0.4,-2) P12(0.4,-2) P13(1.2,-2) P14(2,-2) P15(2.8,-2) P16(3.6,-2) P17(4.4,-2) P18(5.2,-2) P19(6,-2) P20(6.8,-2) P21(7.6,-2) P22(8.4,-2) R1(-8.4,-2.8) R2(-7.6,-2.8) R3(-6.8,-2.8) R4(-6,-2.8) R5(-5.2,-2.8) R6(-4.4,-2.8) R7(-3.6,-2.8) R8(-2.8,-2.8) R9(-2,-2.8) R10(-1.2,-2.8) R11(-0.4,-2.8) R12(0.4,-2.8) R13(1.2,-2.8) R14(2,-2.8) R15(2.8,-2.8) R16(3.6,-2.8) R17(4.4,-2.8) R18(5.2,-2.8) R19(6,-2.8) R20(6.8,-2.8) R21(7.6,-2.8) R22(8.4,-2.8) T1(-8.4,-3.6) T2(-7.6,-3.6) T3(-6.8,-3.6) T4(-6,-3.6) T5(-5.2,-3.6) T6(-4.4,-3.6) T7(-3.6,-3.6) T8(-2.8,-3.6) T9(-2,-3.6) T10(-1.2,-3.6) T11(-0.4,-3.6) T12(0.4,-3.6) T13(1.2,-3.6) T14(2,-3.6) T15(2.8,-3.6) T16(3.6,-3.6) T17(4.4,-3.6) T18(5.2,-3.6) T19(6,-3.6) T20(6.8,-3.6) T21(7.6,-3.6) T22(8.4,-3.6) U1(-8.4,-4.4) U2(-7.6,-4.4) U3(-6.8,-4.4) U4(-6,-4.4) U5(-5.2,-4.4) U6(-4.4,-4.4) U7(-3.6,-4.4) U8(-2.8,-4.4) U9(-2,-4.4) U10(-1.2,-4.4) U11(-0.4,-4.4) U12(0.4,-4.4) U13(1.2,-4.4) U14(2,-4.4) U15(2.8,-4.4) U16(3.6,-4.4) U17(4.4,-4.4) U18(5.2,-4.4) U19(6,-4.4) U20(6.8,-4.4) U21(7.6,-4.4) U22(8.4,-4.4) V1(-8.4,-5.2) V2(-7.6,-5.2) V3(-6.8,-5.2) V4(-6,-5.2) V5(-5.2,-5.2) V6(-4.4,-5.2) V7(-3.6,-5.2) V8(-2.8,-5.2) V9(-2,-5.2) V10(-1.2,-5.2) V11(-0.4,-5.2) V12(0.4,-5.2) V13(1.2,-5.2) V14(2,-5.2) V15(2.8,-5.2) V16(3.6,-5.2) V17(4.4,-5.2) V18(5.2,-5.2) V19(6,-5.2) V20(6.8,-5.2) V21(7.6,-5.2) V22(8.4,-5.2) W1(-8.4,-6) W2(-7.6,-6) W3(-6.8,-6) W4(-6,-6) W5(-5.2,-6) W6(-4.4,-6) W7(-3.6,-6) W8(-2.8,-6) W9(-2,-6) W10(-1.2,-6) W11(-0.4,-6) W12(0.4,-6) W13(1.2,-6) W14(2,-6) W15(2.8,-6) W16(3.6,-6) W17(4.4,-6) W18(5.2,-6) W19(6,-6) W20(6.8,-6) W21(7.6,-6) W22(8.4,-6) Y1(-8.4,-6.8) Y2(-7.6,-6.8) Y3(-6.8,-6.8) Y4(-6,-6.8) Y5(-5.2,-6.8) Y6(-4.4,-6.8) Y7(-3.6,-6.8) Y8(-2.8,-6.8) Y9(-2,-6.8) Y10(-1.2,-6.8) Y11(-0.4,-6.8) Y12(0.4,-6.8) Y13(1.2,-6.8) Y14(2,-6.8) Y15(2.8,-6.8) Y16(3.6,-6.8) Y17(4.4,-6.8) Y18(5.2,-6.8) Y19(6,-6.8) Y20(6.8,-6.8) Y21(7.6,-6.8) Y22(8.4,-6.8)
  silkscreen extent -10.27,-9.5 9.5,9.5, body extent -9.5,-9.5 9.5,9.5, height 2.44
"SiT8008 2.5x2" [mm]
  rect 1.1x1 smd: 1(-0.95,-0.75) 2(0.95,-0.75) 3(0.95,0.75) 4(-0.95,0.75)
  silkscreen extent -2.34,-2.21 1.78,1.52
SOIC8_751EB_ONS [mil]
  rect 57.5x22 smd paste+0 mask+0: 1(-107.25,75) 2(-107.25,25) 3(-107.25,-25) 4(-107.25,-75) 5(107.25,-75) 6(107.25,-25) 7(107.25,25) 8(107.25,75)
  silkscreen extent -84,-104 84,104, body extent -122,-99 122,99, height 69
TE_2013289-1 [mm]
  rect 0.4x2 smd: 1(-31.6,-4.1) 2(-31.3,4.1) 3(-31,-4.1) 4(-30.7,4.1) 5(-30.4,-4.1) 6(-30.1,4.1) 7(-29.8,-4.1) 8(-29.5,4.1) 9(-29.2,-4.1) 10(-28.9,4.1) 11(-28.6,-4.1) 12(-28.3,4.1) 13(-28,-4.1) 14(-27.7,4.1) 15(-27.4,-4.1) 16(-27.1,4.1) 17(-26.8,-4.1) 18(-26.5,4.1) 19(-26.2,-4.1) 20(-25.9,4.1) 21(-25.6,-4.1) 22(-25.3,4.1) 23(-25,-4.1) 24(-24.7,4.1) 25(-24.4,-4.1) 26(-24.1,4.1) 27(-23.8,-4.1) 28(-23.5,4.1) 29(-23.2,-4.1) 30(-22.9,4.1) 31(-22.6,-4.1) 32(-22.3,4.1) 33(-22,-4.1) 34(-21.7,4.1) 35(-21.4,-4.1) 36(-21.1,4.1) 37(-20.8,-4.1) 38(-20.5,4.1) 39(-20.2,-4.1) 40(-19.9,4.1) 41(-19.6,-4.1) 42(-19.3,4.1) 43(-19,-4.1) 44(-18.7,4.1) 45(-18.4,-4.1) 46(-18.1,4.1) 47(-17.8,-4.1) 48(-17.5,4.1) 49(-17.2,-4.1) 50(-16.9,4.1) 51(-16.6,-4.1) 52(-16.3,4.1) 53(-16,-4.1) 54(-15.7,4.1) 55(-15.4,-4.1) 56(-15.1,4.1) 57(-14.8,-4.1) 58(-14.5,4.1) 59(-14.2,-4.1) 60(-13.9,4.1) 61(-13.6,-4.1) 62(-13.3,4.1) 63(-13,-4.1) 64(-12.7,4.1) 65(-12.4,-4.1) 66(-12.1,4.1) 67(-11.8,-4.1) 68(-11.5,4.1) 69(-11.2,-4.1) 70(-10.9,4.1) 71(-10.6,-4.1) 72(-10.3,4.1) 73(-7.6,-4.1) 74(-7.3,4.1) 75(-7,-4.1) 76(-6.7,4.1) 77(-6.4,-4.1) 78(-6.1,4.1) 79(-5.8,-4.1) 80(-5.5,4.1) 81(-5.2,-4.1) 82(-4.9,4.1) 83(-4.6,-4.1) 84(-4.3,4.1) 85(-4,-4.1) 86(-3.7,4.1) 87(-3.4,-4.1) 88(-3.1,4.1) 89(-2.8,-4.1) 90(-2.5,4.1) 91(-2.2,-4.1) 92(-1.9,4.1) 93(-1.6,-4.1) 94(-1.3,4.1) 95(-1,-4.1) 96(-0.7,4.1) 97(-0.4,-4.1) 98(-0.1,4.1) 99(0.2,-4.1) 100(0.5,4.1) 101(0.8,-4.1) 102(1.1,4.1) 103(1.4,-4.1) 104(1.7,4.1) 105(2,-4.1) 106(2.3,4.1) 107(2.6,-4.1) 108(2.9,4.1) 109(3.2,-4.1) 110(3.5,4.1) 111(3.8,-4.1) 112(4.1,4.1) 113(4.4,-4.1) 114(4.7,4.1) 115(5,-4.1) 116(5.3,4.1) 117(5.6,-4.1) 118(5.9,4.1) 119(6.2,-4.1) 120(6.5,4.1) 121(6.8,-4.1) 122(7.1,4.1) 123(7.4,-4.1) 124(7.7,4.1) 125(8,-4.1) 126(8.3,4.1) 127(8.6,-4.1) 128(8.9,4.1) 129(9.2,-4.1) 130(9.5,4.1) 131(9.8,-4.1) 132(10.1,4.1) 133(10.4,-4.1) 134(10.7,4.1) 135(11,-4.1) 136(11.3,4.1) 137(11.6,-4.1) 138(11.9,4.1) 139(12.2,-4.1) 140(12.5,4.1) 141(12.8,-4.1) 142(13.1,4.1) 143(13.4,-4.1) 144(13.7,4.1) 145(14,-4.1) 146(14.3,4.1) 147(14.6,-4.1) 148(14.9,4.1) 149(15.2,-4.1) 150(15.5,4.1) 151(15.8,-4.1) 152(16.1,4.1) 153(16.4,-4.1) 154(16.7,4.1) 155(17,-4.1) 156(17.3,4.1) 157(17.6,-4.1) 158(17.9,4.1) 159(18.2,-4.1) 160(18.5,4.1) 161(18.8,-4.1) 162(19.1,4.1) 163(19.4,-4.1) 164(19.7,4.1) 165(20,-4.1) 166(20.3,4.1) 167(20.6,-4.1) 168(20.9,4.1) 169(21.2,-4.1) 170(21.5,4.1) 171(21.8,-4.1) 172(22.1,4.1) 173(22.4,-4.1) 174(22.7,4.1) 175(23,-4.1) 176(23.3,4.1) 177(23.6,-4.1) 178(23.9,4.1) 179(24.2,-4.1) 180(24.5,4.1) 181(24.8,-4.1) 182(25.1,4.1) 183(25.4,-4.1) 184(25.7,4.1) 185(26,-4.1) 186(26.3,4.1) 187(26.6,-4.1) 188(26.9,4.1) 189(27.2,-4.1) 190(27.5,4.1) 191(27.8,-4.1) 192(28.1,4.1) 193(28.4,-4.1) 194(28.7,4.1) 195(29,-4.1) 196(29.3,4.1) 197(29.6,-4.1) 198(29.9,4.1) 199(30.2,-4.1) 200(30.5,4.1) 201(30.8,-4.1) 202(31.1,4.1) 203(31.4,-4.1) 204(31.7,4.1)
  rect 3.5x4.6 smd: P$1(-32.75,12) P$2(32.85,12)
  round 1.65 hole 1.65 unplated: ""(-33.35,0)
  round 1.15 hole 1.15 unplated: ""(33.45,0)
  silkscreen extent -35.1,-4.7 35.1,21.6, body extent -35.75,-5.02 35.85,21.52, height 5.52
TSOP-48_TSOP1_SPA [mil]
  rect 47.5x11 smd paste+0 mask+0: 1(-387.75,226.38) 2(-387.75,206.69) 3(-387.75,187.01) 4(-387.75,167.32) 5(-387.75,147.64) 6(-387.75,127.95) 7(-387.75,108.27) 8(-387.75,88.58) 9(-387.75,68.9) 10(-387.75,49.21) 11(-387.75,29.53) 12(-387.75,9.84) 13(-387.75,-9.84) 14(-387.75,-29.53) 15(-387.75,-49.21) 16(-387.75,-68.9) 17(-387.75,-88.58) 18(-387.75,-108.27) 19(-387.75,-127.95) 20(-387.75,-147.64) 21(-387.75,-167.32) 22(-387.75,-187.01) 23(-387.75,-206.69) 24(-387.75,-226.38) 25(387.75,-226.38) 26(387.75,-206.69) 27(387.75,-187.01) 28(387.75,-167.32) 29(387.75,-147.64) 30(387.75,-127.95) 31(387.75,-108.27) 32(387.75,-88.58) 33(387.75,-68.9) 34(387.75,-49.21) 35(387.75,-29.53) 36(387.75,-9.84) 37(387.75,9.84) 38(387.75,29.53) 39(387.75,49.21) 40(387.75,68.9) 41(387.75,88.58) 42(387.75,108.27) 43(387.75,127.95) 44(387.75,147.64) 45(387.75,167.32) 46(387.75,187.01) 47(387.75,206.69) 48(387.75,226.38)
  silkscreen extent -432,-243 432,243, body extent 0,0 10,10, height 10